# KiCad board 100p-keebored_OLD.kicad_pcb
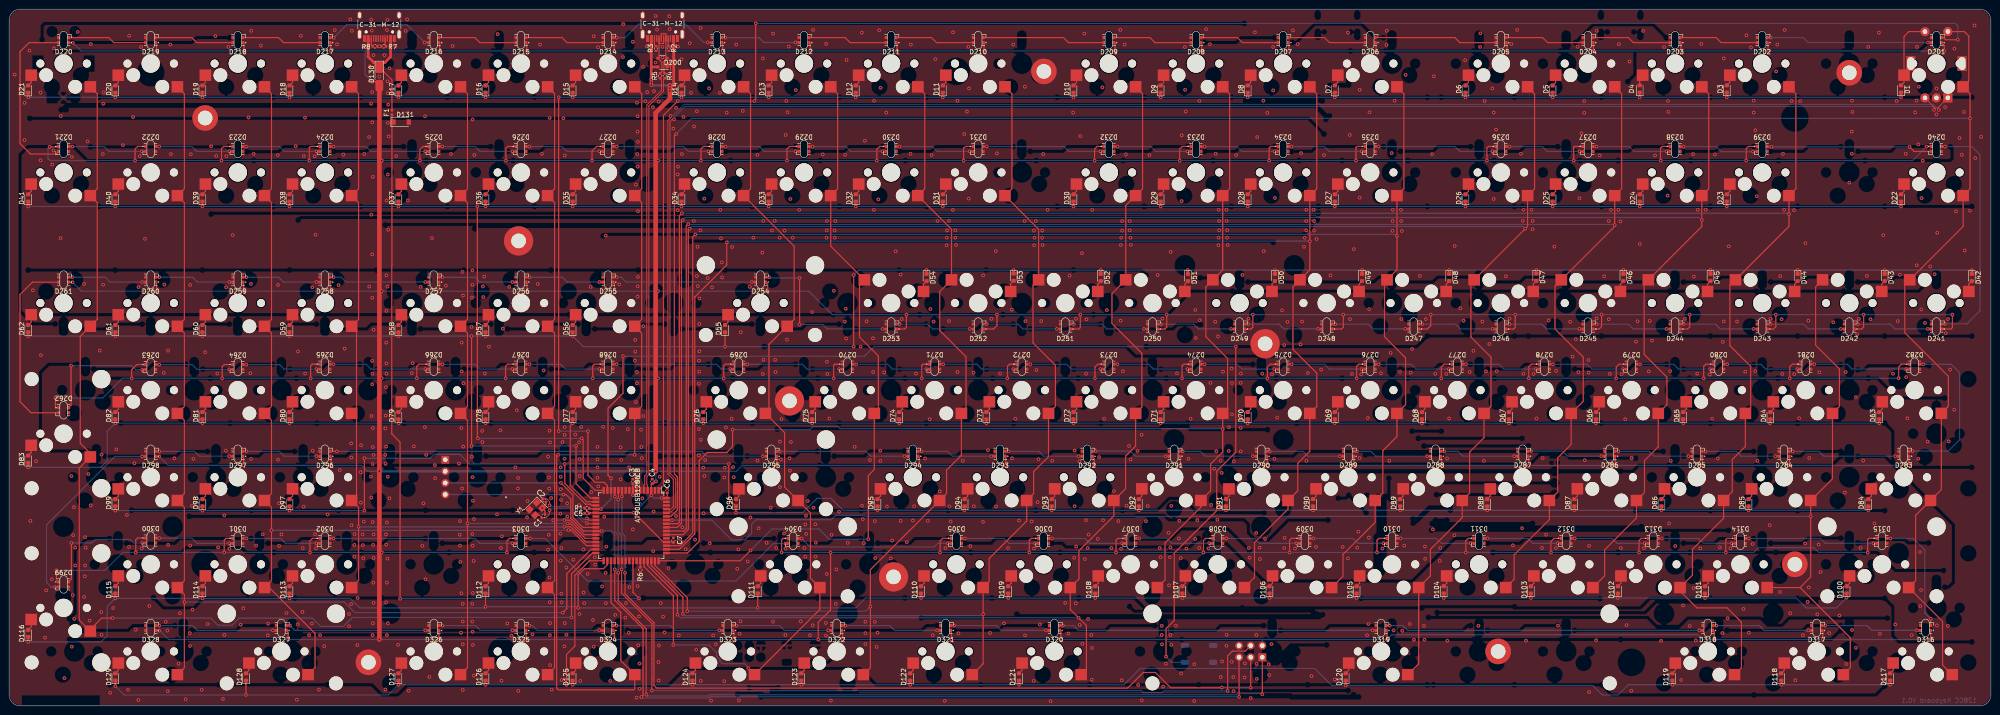
[diagram p0: board, top side]
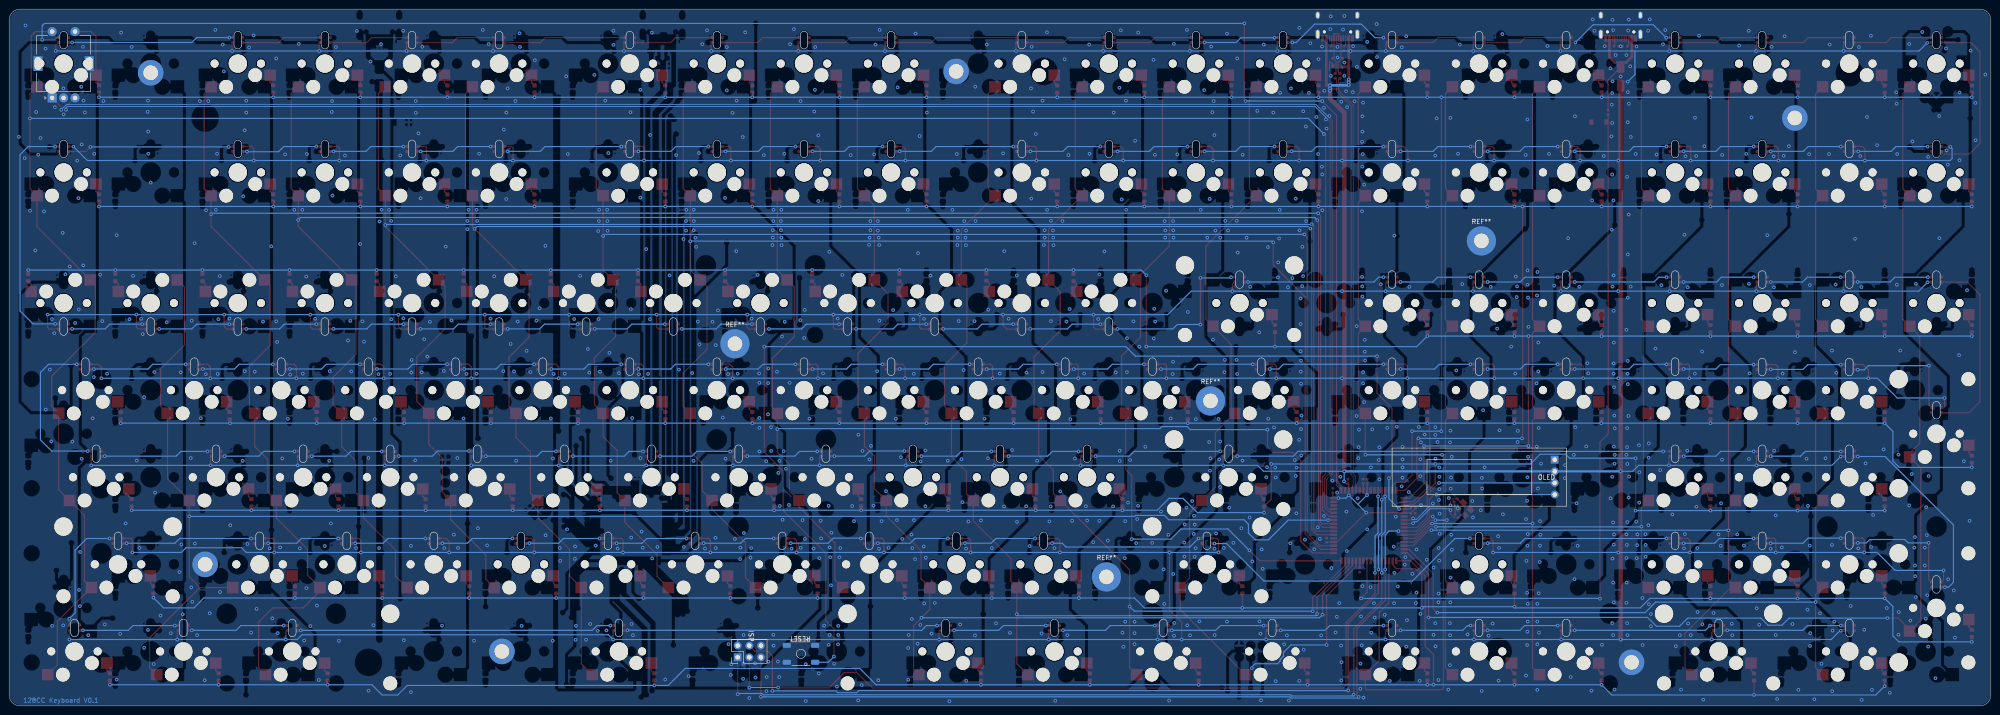
[diagram p1: board, bottom side, seen from below]

Outline 433.36 x 152.39 mm; copper layers: Top, Bottom. Coordinates in mm from the lower left corner of the outline.
Outline path: 0,150.01 0,2.38 arc(0.7,0.7) 2.38,0 430.98,0 arc(432.66,0.7) 433.36,2.38 433.36,150.01 arc(432.66,151.69) 430.98,152.39 2.38,152.39 arc(0.7,151.69) 0,150.01
Stack: Top 0.035mm / dielectric 1.51mm FR4 er 4.5 / Bottom 0.035mm

## Placement (name value [footprint] x y rotation side)
AT90USB1286  AT90USB1286-A  [TQFP-64_14x14mm_P0.8mm]  136.02 39.44 270 top
C1  C  [C_0402_1005Metric]  116.82 41.52 225 top
C2  C  [C_0402_1005Metric]  117.04 44.94 135 top
C3  100n  [C_0402_1005Metric]  136.39 49.11 90 top
C4  100n  [C_0402_1005Metric]  140.63 49.11 90 top
C5  100n  [C_0402_1005Metric]  126.35 42.11 180 top
C6  100n  [C_0402_1005Metric]  143.91 47.1 90 top
C7  100n  [C_0402_1005Metric]  145.25 36.24 90 top
C8  1u  [C_0402_1005Metric]  137.28 49.11 90 top
C-31-M-12  USB_C_Receptacle_USB2.0  [USB_C_Receptacle_HRO_TYPE-C-31-M-12]  80.96 150.01 180 top
D1  D  [D_0603_1608Metric]  413.72 134.94 90 top
D3  D  [D_0603_1608Metric]  375.62 134.94 90 top
D4  D  [D_0603_1608Metric]  356.57 134.94 90 top
D5  D  [D_0603_1608Metric]  337.52 134.9 90 top
D6  D  [D_0603_1608Metric]  318.47 134.9 90 top
D7  D  [D_0603_1608Metric]  289.9 134.9 90 top
D8  D  [D_0603_1608Metric]  270.85 134.9 90 top
D9  D  [D_0603_1608Metric]  251.8 134.9 90 top
D10  D  [D_0603_1608Metric]  232.75 134.9 90 top
D11  D  [D_0603_1608Metric]  204.18 134.9 90 top
D12  D  [D_0603_1608Metric]  185.13 134.9 90 top
D13  D  [D_0603_1608Metric]  166.08 134.9 90 top
D14  D  [D_0603_1608Metric]  147.03 134.9 90 top
D15  D  [D_0603_1608Metric]  123.22 134.9 90 top
D16  D  [D_0603_1608Metric]  104.18 134.9 90 top
D17  D  [D_0603_1608Metric]  85.13 134.9 90 top
D18  D  [D_0603_1608Metric]  61.32 134.9 90 top
D19  D  [D_0603_1608Metric]  42.27 134.9 90 top
D20  D  [D_0603_1608Metric]  23.22 134.9 90 top
D21  D  [D_0603_1608Metric]  4.17 134.9 90 top
D22  D  [D_0603_1608Metric]  413.72 111.09 90 top
D23  D  [D_0603_1608Metric]  375.62 111.09 90 top
D24  D  [D_0603_1608Metric]  356.57 111.09 90 top
D25  D  [D_0603_1608Metric]  337.52 111.09 90 top
D26  D  [D_0603_1608Metric]  318.47 111.09 90 top
D27  D  [D_0603_1608Metric]  289.9 111.09 90 top
D28  D  [D_0603_1608Metric]  270.85 111.09 90 top
D29  D  [D_0603_1608Metric]  251.8 111.09 90 top
D30  D  [D_0603_1608Metric]  232.75 111.09 90 top
D31  D  [D_0603_1608Metric]  204.18 111.09 90 top
D32  D  [D_0603_1608Metric]  185.13 111.09 90 top
D33  D  [D_0603_1608Metric]  166.08 111.09 90 top
D34  D  [D_0603_1608Metric]  147.03 111.09 90 top
D35  D  [D_0603_1608Metric]  123.22 111.09 90 top
D36  D  [D_0603_1608Metric]  104.18 111.09 90 top
D37  D  [D_0603_1608Metric]  85.13 111.09 90 top
D38  D  [D_0603_1608Metric]  61.32 111.09 90 top
D39  D  [D_0603_1608Metric]  42.27 111.09 90 top
D40  D  [D_0603_1608Metric]  23.22 111.09 90 top
D41  D  [D_0603_1608Metric]  4.17 111.09 90 top
D42  D  [D_0603_1608Metric]  429.19 93.68 270 top
D43  D  [D_0603_1608Metric]  410.14 93.68 270 top
D44  D  [D_0603_1608Metric]  391.1 93.68 270 top
D45  D  [D_0603_1608Metric]  372.05 93.68 270 top
D46  D  [D_0603_1608Metric]  353 93.68 270 top
D47  D  [D_0603_1608Metric]  333.95 93.76 270 top
D48  D  [D_0603_1608Metric]  314.9 93.68 270 top
D49  D  [D_0603_1608Metric]  295.85 93.68 270 top
D50  D  [D_0603_1608Metric]  276.8 93.68 270 top
D51  D  [D_0603_1608Metric]  257.76 93.68 270 top
D52  D  [D_0603_1608Metric]  238.71 93.68 270 top
D53  D  [D_0603_1608Metric]  219.66 93.76 270 top
D54  D  [D_0603_1608Metric]  200.61 93.68 270 top
D55  D  [D_0603_1608Metric]  156.56 82.52 90 top
D56  D  [D_0603_1608Metric]  123.22 82.52 90 top
D57  D  [D_0603_1608Metric]  104.18 82.52 90 top
D58  D  [D_0603_1608Metric]  85.13 82.52 90 top
D59  D  [D_0603_1608Metric]  61.32 82.52 90 top
D60  D  [D_0603_1608Metric]  42.27 82.52 90 top
D61  D  [D_0603_1608Metric]  23.22 82.52 90 top
D62  D  [D_0603_1608Metric]  4.17 82.52 90 top
D63  D  [D_0603_1608Metric]  408.95 63.47 90 top
D64  D  [D_0603_1608Metric]  385.14 63.47 90 top
D65  D  [D_0603_1608Metric]  366.09 63.47 90 top
D66  D  [D_0603_1608Metric]  347.05 63.47 90 top
D67  D  [D_0603_1608Metric]  328 63.47 90 top
D68  D  [D_0603_1608Metric]  308.95 63.47 90 top
D69  D  [D_0603_1608Metric]  289.9 63.47 90 top
D70  D  [D_0603_1608Metric]  270.85 63.47 90 top
D71  D  [D_0603_1608Metric]  251.8 63.47 90 top
D72  D  [D_0603_1608Metric]  232.75 63.47 90 top
D73  D  [D_0603_1608Metric]  213.71 63.47 90 top
D74  D  [D_0603_1608Metric]  194.66 63.47 90 top
D75  D  [D_0603_1608Metric]  175.61 63.47 90 top
D76  D  [D_0603_1608Metric]  151.8 63.47 90 top
D77  D  [D_0603_1608Metric]  123.22 63.47 90 top
D78  D  [D_0603_1608Metric]  104.18 63.47 90 top
D79  D  [D_0603_1608Metric]  85.13 63.47 90 top
D80  D  [D_0603_1608Metric]  61.32 63.47 90 top
D81  D  [D_0603_1608Metric]  42.27 63.47 90 top
D82  D  [D_0603_1608Metric]  23.22 63.47 90 top
D83  D  [D_0603_1608Metric]  4.17 53.95 90 top
D84  D  [D_0603_1608Metric]  406.57 44.42 90 top
D85  D  [D_0603_1608Metric]  380.38 44.42 90 top
D86  D  [D_0603_1608Metric]  361.33 44.42 90 top
D87  D  [D_0603_1608Metric]  342.28 44.42 90 top
D88  D  [D_0603_1608Metric]  323.24 44.42 90 top
D89  D  [D_0603_1608Metric]  304.19 44.42 90 top
D90  D  [D_0603_1608Metric]  285.14 44.42 90 top
D91  D  [D_0603_1608Metric]  266.09 44.42 90 top
D92  D  [D_0603_1608Metric]  247.04 44.42 90 top
D93  D  [D_0603_1608Metric]  227.99 44.42 90 top
D94  D  [D_0603_1608Metric]  208.94 44.42 90 top
D95  D  [D_0603_1608Metric]  189.89 44.42 90 top
D96  D  [D_0603_1608Metric]  158.94 44.42 90 top
D97  D  [D_0603_1608Metric]  61.32 44.42 90 top
D98  D  [D_0603_1608Metric]  42.27 44.42 90 top
D99  D  [D_0603_1608Metric]  23.22 44.42 90 top
D100  D  [D_0603_1608Metric]  401.81 25.37 90 top
D101  D  [D_0603_1608Metric]  370.86 25.37 90 top
D102  D  [D_0603_1608Metric]  351.81 25.37 90 top
D103  D  [D_0603_1608Metric]  332.76 25.37 90 top
D104  D  [D_0603_1608Metric]  313.71 25.37 90 top
D105  D  [D_0603_1608Metric]  294.66 25.37 90 top
D106  D  [D_0603_1608Metric]  275.61 25.37 90 top
D107  D  [D_0603_1608Metric]  256.56 25.37 90 top
D108  D  [D_0603_1608Metric]  237.52 25.37 90 top
D109  D  [D_0603_1608Metric]  218.47 25.37 90 top
D110  D  [D_0603_1608Metric]  199.42 25.37 90 top
D111  D  [D_0603_1608Metric]  163.7 25.37 90 top
D112  D  [D_0603_1608Metric]  104.18 25.37 90 top
D113  D  [D_0603_1608Metric]  61.32 25.37 90 top
D114  D  [D_0603_1608Metric]  42.27 25.37 90 top
D115  D  [D_0603_1608Metric]  23.22 25.37 90 top
D116  D  [D_0603_1608Metric]  4.17 15.85 90 top
D117  D  [D_0603_1608Metric]  411.34 6.33 90 top
D118  D  [D_0603_1608Metric]  387.52 6.33 90 top
D119  D  [D_0603_1608Metric]  363.71 6.33 90 top
D120  D  [D_0603_1608Metric]  292.28 6.33 90 top
D121  D  [D_0603_1608Metric]  220.85 6.33 90 top
D122  D  [D_0603_1608Metric]  197.04 6.33 90 top
D123  D  [D_0603_1608Metric]  173.23 6.33 90 top
D124  D  [D_0603_1608Metric]  149.42 6.33 90 top
D125  D  [D_0603_1608Metric]  123.22 6.33 90 top
D126  D  [D_0603_1608Metric]  104.18 6.33 90 top
D127  D  [D_0603_1608Metric]  85.13 6.33 90 top
D128  D  [D_0603_1608Metric]  51.79 6.33 90 top
D129  D  [D_0603_1608Metric]  23.22 6.33 90 top
D130  SBRT5A50SA-13  [D_0603_1608Metric#2]  80.96 137.67 270 top
D131  BZT52C5V6  [D_SOD-123]  85.73 127.69 0 top
D200  PRTR5V0U2X  [SOT-143]  142.87 140.71 180 top
D201  WS2812B  [WS2812B-2020 ShineThrough]  421.46 145.62 0 top
D202  WS2812B  [WS2812B-2020 ShineThrough]  383.36 145.62 0 top
D203  WS2812B  [WS2812B-2020 ShineThrough]  364.31 145.62 0 top
D204  WS2812B  [WS2812B-2020 ShineThrough]  345.26 145.62 0 top
D205  WS2812B  [WS2812B-2020 ShineThrough]  326.21 145.62 0 top
D206  WS2812B  [WS2812B-2020 ShineThrough]  297.64 145.62 0 top
D207  WS2812B  [WS2812B-2020 ShineThrough]  278.59 145.62 0 top
D208  WS2812B  [WS2812B-2020 ShineThrough]  259.54 145.62 0 top
D209  WS2812B  [WS2812B-2020 ShineThrough]  240.49 145.62 0 top
D210  WS2812B  [WS2812B-2020 ShineThrough]  211.92 145.62 0 top
D211  WS2812B  [WS2812B-2020 ShineThrough]  192.87 145.62 0 top
D212  WS2812B  [WS2812B-2020 ShineThrough]  173.82 145.62 0 top
D213  WS2812B  [WS2812B-2020 ShineThrough]  154.77 145.62 0 top
D214  WS2812B  [WS2812B-2020 ShineThrough]  130.96 145.62 0 top
D215  WS2812B  [WS2812B-2020 ShineThrough]  111.91 145.62 0 top
D216  WS2812B  [WS2812B-2020 ShineThrough]  92.86 145.62 0 top
D217  WS2812B  [WS2812B-2020 ShineThrough]  69.05 145.62 0 top
D218  WS2812B  [WS2812B-2020 ShineThrough]  50.01 145.62 0 top
D219  WS2812B  [WS2812B-2020 ShineThrough]  30.96 145.62 0 top
D220  WS2812B  [WS2812B-2020 ShineThrough]  11.91 145.62 0 top
D221  WS2812B  [WS2812B-2020 ShineThrough]  11.91 121.81 180 top
D222  WS2812B  [WS2812B-2020 ShineThrough]  30.96 121.81 180 top
D223  WS2812B  [WS2812B-2020 ShineThrough]  50.01 121.81 180 top
D224  WS2812B  [WS2812B-2020 ShineThrough]  69.05 121.81 180 top
D225  WS2812B  [WS2812B-2020 ShineThrough]  92.86 121.81 180 top
D226  WS2812B  [WS2812B-2020 ShineThrough]  111.91 121.81 180 top
D227  WS2812B  [WS2812B-2020 ShineThrough]  130.96 121.81 180 top
D228  WS2812B  [WS2812B-2020 ShineThrough]  154.77 121.81 180 top
D229  WS2812B  [WS2812B-2020 ShineThrough]  173.82 121.81 180 top
D230  WS2812B  [WS2812B-2020 ShineThrough]  192.87 121.81 180 top
D231  WS2812B  [WS2812B-2020 ShineThrough]  211.92 121.81 180 top
D232  WS2812B  [WS2812B-2020 ShineThrough]  240.49 121.81 180 top
D233  WS2812B  [WS2812B-2020 ShineThrough]  259.54 121.81 180 top
D234  WS2812B  [WS2812B-2020 ShineThrough]  278.59 121.81 180 top
D235  WS2812B  [WS2812B-2020 ShineThrough]  297.64 121.81 180 top
D236  WS2812B  [WS2812B-2020 ShineThrough]  326.21 121.81 180 top
D237  WS2812B  [WS2812B-2020 ShineThrough]  345.26 121.81 180 top
D238  WS2812B  [WS2812B-2020 ShineThrough]  364.31 121.81 180 top
D239  WS2812B  [WS2812B-2020 ShineThrough]  383.36 121.81 180 top
D240  WS2812B  [WS2812B-2020 ShineThrough]  421.46 121.81 180 top
D241  WS2812B  [WS2812B-2020 ShineThrough]  421.46 82.97 0 top
D242  WS2812B  [WS2812B-2020 ShineThrough]  402.41 82.97 0 top
D243  WS2812B  [WS2812B-2020 ShineThrough]  383.36 82.97 0 top
D244  WS2812B  [WS2812B-2020 ShineThrough]  364.31 82.97 0 top
D245  WS2812B  [WS2812B-2020 ShineThrough]  345.26 82.97 0 top
D246  WS2812B  [WS2812B-2020 ShineThrough]  326.21 82.97 0 top
D247  WS2812B  [WS2812B-2020 ShineThrough]  307.16 82.97 0 top
D248  WS2812B  [WS2812B-2020 ShineThrough]  288.11 82.97 0 top
D249  WS2812B  [WS2812B-2020 ShineThrough]  269.07 82.97 0 top
D250  WS2812B  [WS2812B-2020 ShineThrough]  250.02 82.97 0 top
D251  WS2812B  [WS2812B-2020 ShineThrough]  230.97 82.97 0 top
D252  WS2812B  [WS2812B-2020 ShineThrough]  211.92 82.97 0 top
D253  WS2812B  [WS2812B-2020 ShineThrough]  192.87 82.97 0 top
D254  WS2812B  [WS2812B-2020 ShineThrough]  164.3 93.24 0 top
D255  WS2812B  [WS2812B-2020 ShineThrough]  130.96 93.24 0 top
D256  WS2812B  [WS2812B-2020 ShineThrough]  111.91 93.24 0 top
D257  WS2812B  [WS2812B-2020 ShineThrough]  92.86 93.24 0 top
D258  WS2812B  [WS2812B-2020 ShineThrough]  69.05 93.24 0 top
D259  WS2812B  [WS2812B-2020 ShineThrough]  50.01 93.24 0 top
D260  WS2812B  [WS2812B-2020 ShineThrough]  30.96 93.24 0 top
D261  WS2812B  [WS2812B-2020 ShineThrough]  11.91 93.24 0 top
D262  WS2812B  [WS2812B-2020 ShineThrough]  11.91 64.66 180 top
D263  WS2812B  [WS2812B-2020 ShineThrough]  30.96 74.11 180 top
D264  WS2812B  [WS2812B-2020 ShineThrough]  50.01 74.11 180 top
D265  WS2812B  [WS2812B-2020 ShineThrough]  69.05 74.19 180 top
D266  WS2812B  [WS2812B-2020 ShineThrough]  92.86 74.19 180 top
D267  WS2812B  [WS2812B-2020 ShineThrough]  111.91 74.19 180 top
D268  WS2812B  [WS2812B-2020 ShineThrough]  130.96 74.19 180 top
D269  WS2812B  [WS2812B-2020 ShineThrough]  159.54 74.19 180 top
D270  WS2812B  [WS2812B-2020 ShineThrough]  183.35 74.19 180 top
D271  WS2812B  [WS2812B-2020 ShineThrough]  202.39 74.19 180 top
D272  WS2812B  [WS2812B-2020 ShineThrough]  221.44 74.19 180 top
D273  WS2812B  [WS2812B-2020 ShineThrough]  240.49 74.19 180 top
D274  WS2812B  [WS2812B-2020 ShineThrough]  259.54 74.19 180 top
D275  WS2812B  [WS2812B-2020 ShineThrough]  278.59 74.19 180 top
D276  WS2812B  [WS2812B-2020 ShineThrough]  297.64 74.19 180 top
D277  WS2812B  [WS2812B-2020 ShineThrough]  316.69 74.19 180 top
D278  WS2812B  [WS2812B-2020 ShineThrough]  335.74 74.19 180 top
D279  WS2812B  [WS2812B-2020 ShineThrough]  354.78 74.19 180 top
D280  WS2812B  [WS2812B-2020 ShineThrough]  373.83 74.19 180 top
D281  WS2812B  [WS2812B-2020 ShineThrough]  392.88 74.19 180 top
D282  WS2812B  [WS2812B-2020 ShineThrough]  416.69 74.19 180 top
D283  WS2812B  [WS2812B-2020 ShineThrough]  414.31 55.14 0 top
D284  WS2812B  [WS2812B-2020 ShineThrough]  388.12 55.14 0 top
D285  WS2812B  [WS2812B-2020 ShineThrough]  369.07 55.14 0 top
D286  WS2812B  [WS2812B-2020 ShineThrough]  350.02 55.14 0 top
D287  WS2812B  [WS2812B-2020 ShineThrough]  330.97 55.14 0 top
D288  WS2812B  [WS2812B-2020 ShineThrough]  311.93 55.14 0 top
D289  WS2812B  [WS2812B-2020 ShineThrough]  292.88 55.14 0 top
D290  WS2812B  [WS2812B-2020 ShineThrough]  273.83 55.14 0 top
D291  WS2812B  [WS2812B-2020 ShineThrough]  254.78 55.14 0 top
D292  WS2812B  [WS2812B-2020 ShineThrough]  235.73 55.14 0 top
D293  WS2812B  [WS2812B-2020 ShineThrough]  216.68 55.14 0 top
D294  WS2812B  [WS2812B-2020 ShineThrough]  197.63 55.14 0 top
D295  WS2812B  [WS2812B-2020 ShineThrough]  166.68 55.14 0 top
D296  WS2812B  [WS2812B-2020 ShineThrough]  69.05 55.14 0 top
D297  WS2812B  [WS2812B-2020 ShineThrough]  50.01 55.14 0 top
D298  WS2812B  [WS2812B-2020 ShineThrough]  30.96 55.14 0 top
D299  WS2812B  [WS2812B-2020 ShineThrough]  11.91 26.57 180 top
D300  WS2812B  [WS2812B-2020 ShineThrough]  30.96 36.16 180 top
D301  WS2812B  [WS2812B-2020 ShineThrough]  50.01 36.09 180 top
D302  WS2812B  [WS2812B-2020 ShineThrough]  69.05 36.09 180 top
D303  WS2812B  [WS2812B-2020 ShineThrough]  111.91 36.09 180 top
D304  WS2812B  [WS2812B-2020 ShineThrough]  171.44 36.09 180 top
D305  WS2812B  [WS2812B-2020 ShineThrough]  207.16 36.09 180 top
D306  WS2812B  [WS2812B-2020 ShineThrough]  226.21 36.09 180 top
D307  WS2812B  [WS2812B-2020 ShineThrough]  245.25 36.09 180 top
D308  WS2812B  [WS2812B-2020 ShineThrough]  264.3 36.09 180 top
D309  WS2812B  [WS2812B-2020 ShineThrough]  283.35 36.09 180 top
D310  WS2812B  [WS2812B-2020 ShineThrough]  302.4 36.09 180 top
D311  WS2812B  [WS2812B-2020 ShineThrough]  321.45 36.09 180 top
D312  WS2812B  [WS2812B-2020 ShineThrough]  340.5 36.09 180 top
D313  WS2812B  [WS2812B-2020 ShineThrough]  359.55 36.09 180 top
D314  WS2812B  [WS2812B-2020 ShineThrough]  378.6 36.09 180 top
D315  WS2812B  [WS2812B-2020 ShineThrough]  409.55 36.09 180 top
D316  WS2812B  [WS2812B-2020 ShineThrough]  419.07 17.04 0 top
D317  WS2812B  [WS2812B-2020 ShineThrough]  395.26 17.04 0 top
D318  WS2812B  [WS2812B-2020 ShineThrough]  371.45 17.04 0 top
D319  WS2812B  [WS2812B-2020 ShineThrough]  300.02 17.04 0 top
D320  WS2812B  [WS2812B-2020 ShineThrough]  228.59 17.04 0 top
D321  WS2812B  [WS2812B-2020 ShineThrough]  204.78 17.04 0 top
D322  WS2812B  [WS2812B-2020 ShineThrough]  180.97 17.04 0 top
D323  WS2812B  [WS2812B-2020 ShineThrough]  157.15 17.04 0 top
D324  WS2812B  [WS2812B-2020 ShineThrough]  130.96 17.04 0 top
D325  WS2812B  [WS2812B-2020 ShineThrough]  111.91 17.04 0 top
D326  WS2812B  [WS2812B-2020 ShineThrough]  92.86 17.04 0 top
D327  WS2812B  [WS2812B-2020 ShineThrough]  59.53 17.04 0 top
D328  WS2812B  [WS2812B-2020 ShineThrough]  30.96 17.04 0 top
F1  JFC0402-0250FS  [Fuse_0402_1005Metric]  83.71 129.81 90 top
G***  LOGO  [CC Logo 10mm 6.0]  17.56 102.83 0 top
ISP  AVR-ISP-6  [PinHeader_2x03_P2.54mm_Vertical]  274.04 10.63 90 bottom
J2  C-31-M-12  [USB_C_Receptacle_HRO_TYPE-C-31-M-12]  142.87 150.01 180 top
OLED  Conn_01x04  [SSD1306 128x32]  95.37 50.03 0 bottom
R1  10K  [R_0402_1005Metric]  126.34 43.23 0 top
R2  5.1k  [R_0402_1005Metric]  144.28 143.77 270 top
R3  5.1k  [R_0402_1005Metric]  141.45 143.77 270 top
R4  22  [R_0402_1005Metric]  143.39 137.81 270 top
R5  22  [R_0402_1005Metric]  142.35 137.81 270 top
R6  10k  [R_0402_1005Metric]  138.03 29.76 90 top
R7  5.1k  [R_0402_1005Metric]  81.93 144.28 180 top
R8  5.1k  [R_0402_1005Metric]  80 144.28 0 top
REF**  -  [MountingHole_3.2mm_M3_DIN965_Pad]  325.61 11.91 180 bottom
REF**#2  -  [MountingHole_3.2mm_M3_DIN965_Pad]  78.58 9.52 180 bottom
REF**#3  -  [MountingHole_3.2mm_M3_DIN965_Pad]  226.28 138.77 180 bottom
REF**#4  -  [MountingHole_3.2mm_M3_DIN965_Pad]  402.41 138.48 180 bottom
REF**#5  -  [MountingHole_3.2mm_M3_DIN965_Pad]  42.86 128.58 180 bottom
REF**#6  -  [MountingHole_3.2mm_M3_DIN965_Pad]  390.5 30.95 180 bottom
REF**#7  -  [MountingHole_3.2mm_M3_Pad]  274.65 79.2 180 bottom
REF**#8  -  [MountingHole_3.2mm_M3_Pad]  170.65 66.7 180 bottom
REF**#9  -  [MountingHole_3.2mm_M3_Pad]  193.4 28.2 180 bottom
REF**#10  -  [MountingHole_3.2mm_M3_Pad]  111.4 101.7 180 bottom
RESET  SKQGAKE010  [SW_Alps_SKQGAKE010]  260.21 11.38 180 bottom
SW1  SW_Push  [MXOnly-1U-Hotswap]  421.45 140.48 0 bottom
SW3  SW_Push  [MXOnly-1U-Hotswap]  383.36 140.48 0 bottom
SW4  SW_Push  [MXOnly-1U-Hotswap]  364.31 140.48 0 bottom
SW5  SW_Push  [MXOnly-1U-Hotswap]  345.26 140.48 0 bottom
SW6  SW_Push  [MXOnly-1U-Hotswap]  326.21 140.48 0 bottom
SW7  SW_Push  [MXOnly-1U-Hotswap]  297.64 140.48 0 bottom
SW8  SW_Push  [MXOnly-1U-Hotswap]  278.59 140.48 0 bottom
SW9  SW_Push  [MXOnly-1U-Hotswap]  259.54 140.48 0 bottom
SW10  SW_Push  [MXOnly-1U-Hotswap]  240.49 140.48 0 bottom
SW11  SW_Push  [MXOnly-1U-Hotswap]  211.92 140.48 0 bottom
SW12  SW_Push  [MXOnly-1U-Hotswap]  192.87 140.48 0 bottom
SW13  SW_Push  [MXOnly-1U-Hotswap]  173.82 140.48 0 bottom
SW14  SW_Push  [MXOnly-1U-Hotswap]  154.77 140.48 0 bottom
SW15  SW_Push  [MXOnly-1U-Hotswap]  130.96 140.48 0 bottom
SW16  SW_Push  [MXOnly-1U-Hotswap]  111.91 140.48 0 bottom
SW17  SW_Push  [MXOnly-1U-Hotswap]  92.86 140.48 0 bottom
SW18  SW_Push  [MXOnly-1U-Hotswap]  69.05 140.48 0 bottom
SW19  SW_Push  [MXOnly-1U-Hotswap]  50 140.48 0 bottom
SW20  SW_Push  [MXOnly-1U-Hotswap]  30.95 140.48 0 bottom
SW21  SW_Push  [MXOnly-1U-Hotswap]  11.91 140.48 0 bottom
SW22  SW_Push  [MXOnly-1U-Hotswap]  421.45 116.67 0 bottom
SW23  SW_Push  [MXOnly-1U-Hotswap]  383.36 116.67 0 bottom
SW24  SW_Push  [MXOnly-1U-Hotswap]  364.31 116.67 0 bottom
SW25  SW_Push  [MXOnly-1U-Hotswap]  345.26 116.67 0 bottom
SW26  SW_Push  [MXOnly-1U-Hotswap]  326.21 116.67 0 bottom
SW27  SW_Push  [MXOnly-1U-Hotswap]  297.64 116.67 0 bottom
SW28  SW_Push  [MXOnly-1U-Hotswap]  278.59 116.67 0 bottom
SW29  SW_Push  [MXOnly-1U-Hotswap]  259.54 116.67 0 bottom
SW30  SW_Push  [MXOnly-1U-Hotswap]  240.49 116.67 0 bottom
SW31  SW_Push  [MXOnly-1U-Hotswap]  211.92 116.67 0 bottom
SW32  SW_Push  [MXOnly-1U-Hotswap]  192.87 116.67 0 bottom
SW33  SW_Push  [MXOnly-1U-Hotswap]  173.82 116.67 0 bottom
SW34  SW_Push  [MXOnly-1U-Hotswap]  154.77 116.67 0 bottom
SW35  SW_Push  [MXOnly-1U-Hotswap]  130.96 116.67 0 bottom
SW36  SW_Push  [MXOnly-1U-Hotswap]  111.91 116.67 0 bottom
SW37  SW_Push  [MXOnly-1U-Hotswap]  92.86 116.67 0 bottom
SW38  SW_Push  [MXOnly-1U-Hotswap]  69.05 116.67 0 bottom
SW39  SW_Push  [MXOnly-1U-Hotswap]  50 116.67 0 bottom
SW40  SW_Push  [MXOnly-1U-Hotswap]  30.95 116.67 0 bottom
SW41  SW_Push  [MXOnly-1U-Hotswap]  11.91 116.67 0 bottom
SW42  SW_Push  [MXOnly-1U-Hotswap]  421.45 88.1 180 bottom
SW43  SW_Push  [MXOnly-1U-Hotswap]  402.41 88.1 180 bottom
SW44  SW_Push  [MXOnly-1U-Hotswap]  383.36 88.1 180 bottom
SW45  SW_Push  [MXOnly-1U-Hotswap]  364.31 88.1 180 bottom
SW46  SW_Push  [MXOnly-1U-Hotswap]  345.26 88.1 180 bottom
SW47  SW_Push  [MXOnly-1U-Hotswap]  326.21 88.1 180 bottom
SW48  SW_Push  [MXOnly-1U-Hotswap]  307.16 88.1 180 bottom
SW49  SW_Push  [MXOnly-1U-Hotswap]  288.11 88.1 180 bottom
SW50  SW_Push  [MXOnly-1U-Hotswap]  269.06 88.1 180 bottom
SW51  SW_Push  [MXOnly-1U-Hotswap]  250.02 88.1 180 bottom
SW52  SW_Push  [MXOnly-1U-Hotswap]  230.97 88.1 180 bottom
SW53  SW_Push  [MXOnly-1U-Hotswap]  211.92 88.1 180 bottom
SW54  SW_Push  [MXOnly-1U-Hotswap]  192.87 88.1 180 bottom
SW55  SW_Push  [MXOnly-2U-Hotswap]  164.3 88.1 0 bottom
SW56  SW_Push  [MXOnly-1U-Hotswap]  130.96 88.1 0 bottom
SW57  SW_Push  [MXOnly-1U-Hotswap]  111.91 88.1 0 bottom
SW58  SW_Push  [MXOnly-1U-Hotswap]  92.86 88.1 0 bottom
SW59  SW_Push  [MXOnly-1U-Hotswap]  69.05 88.1 0 bottom
SW60  SW_Push  [MXOnly-1U-Hotswap]  50 88.1 0 bottom
SW61  SW_Push  [MXOnly-1U-Hotswap]  30.95 88.1 0 bottom
SW62  SW_Push  [MXOnly-1U-Hotswap]  11.91 88.1 0 bottom
SW63  SW_Push  [MXOnly-1.5U-Hotswap]  416.69 69.05 0 bottom
SW64  SW_Push  [MXOnly-1U-Hotswap]  392.88 69.05 0 bottom
SW65  SW_Push  [MXOnly-1U-Hotswap]  373.83 69.05 0 bottom
SW66  SW_Push  [MXOnly-1U-Hotswap]  354.78 69.05 0 bottom
SW67  SW_Push  [MXOnly-1U-Hotswap]  335.74 69.05 0 bottom
SW68  SW_Push  [MXOnly-1U-Hotswap]  316.69 69.05 0 bottom
SW69  SW_Push  [MXOnly-1U-Hotswap]  297.64 69.05 0 bottom
SW70  SW_Push  [MXOnly-1U-Hotswap]  278.59 69.05 0 bottom
SW71  SW_Push  [MXOnly-1U-Hotswap]  259.54 69.05 0 bottom
SW72  SW_Push  [MXOnly-1U-Hotswap]  240.49 69.05 0 bottom
SW73  SW_Push  [MXOnly-1U-Hotswap]  221.44 69.05 0 bottom
SW74  SW_Push  [MXOnly-1U-Hotswap]  202.39 69.05 0 bottom
SW75  SW_Push  [MXOnly-1U-Hotswap]  183.34 69.05 0 bottom
SW76  SW_Push  [MXOnly-1.5U-Hotswap]  159.53 69.05 0 bottom
SW77  SW_Push  [MXOnly-1U-Hotswap]  130.96 69.05 0 bottom
SW78  SW_Push  [MXOnly-1U-Hotswap]  111.91 69.05 0 bottom
SW79  SW_Push  [MXOnly-1U-Hotswap]  92.86 69.05 0 bottom
SW80  SW_Push  [MXOnly-1U-Hotswap]  69.05 69.05 0 bottom
SW81  SW_Push  [MXOnly-1U-Hotswap]  50 69.05 0 bottom
SW82  SW_Push  [MXOnly-1U-Hotswap]  30.95 69.05 0 bottom
SW83  SW_Push  [MXOnly-2U-Hotswap-VerticalStabilizers]  11.91 59.53 0 bottom
SW84  SW_Push  [MXOnly-1.75U-Hotswap]  414.31 50 0 bottom
SW85  SW_Push  [MXOnly-1U-Hotswap]  388.12 50 0 bottom
SW86  SW_Push  [MXOnly-1U-Hotswap]  369.07 50 0 bottom
SW87  SW_Push  [MXOnly-1U-Hotswap]  350.02 50 0 bottom
SW88  SW_Push  [MXOnly-1U-Hotswap]  330.97 50 0 bottom
SW89  SW_Push  [MXOnly-1U-Hotswap]  311.92 50 0 bottom
SW90  SW_Push  [MXOnly-1U-Hotswap]  292.88 50 0 bottom
SW91  SW_Push  [MXOnly-1U-Hotswap]  273.83 50 0 bottom
SW92  SW_Push  [MXOnly-1U-Hotswap]  254.78 50 0 bottom
SW93  SW_Push  [MXOnly-1U-Hotswap]  235.73 50 0 bottom
SW94  SW_Push  [MXOnly-1U-Hotswap]  216.68 50 0 bottom
SW95  SW_Push  [MXOnly-1U-Hotswap]  197.63 50 0 bottom
SW96  SW_Push  [MXOnly-2.25U-Hotswap]  166.68 50 0 bottom
SW97  SW_Push  [MXOnly-1U-Hotswap]  69.05 50 0 bottom
SW98  SW_Push  [MXOnly-1U-Hotswap]  50 50 0 bottom
SW99  SW_Push  [MXOnly-1U-Hotswap]  30.95 50 0 bottom
SW100  SW_Push  [MXOnly-2.25U-Hotswap]  409.55 30.95 0 bottom
SW101  SW_Push  [MXOnly-1U-Hotswap]  378.59 30.95 0 bottom
SW102  SW_Push  [MXOnly-1U-Hotswap]  359.55 30.95 0 bottom
SW103  SW_Push  [MXOnly-1U-Hotswap]  340.5 30.95 0 bottom
SW104  SW_Push  [MXOnly-1U-Hotswap]  321.45 30.95 0 bottom
SW105  SW_Push  [MXOnly-1U-Hotswap]  302.4 30.95 0 bottom
SW106  SW_Push  [MXOnly-1U-Hotswap]  283.35 30.95 0 bottom
SW107  SW_Push  [MXOnly-1U-Hotswap]  264.3 30.95 0 bottom
SW108  SW_Push  [MXOnly-1U-Hotswap]  245.25 30.95 0 bottom
SW109  SW_Push  [MXOnly-1U-Hotswap]  226.2 30.95 0 bottom
SW110  SW_Push  [MXOnly-1U-Hotswap]  207.16 30.95 0 bottom
SW111  SW_Push  [MXOnly-2.75U-Hotswap]  171.44 30.95 0 bottom
SW112  SW_Push  [MXOnly-1U-Hotswap]  111.91 30.95 0 bottom
SW113  SW_Push  [MXOnly-1U-Hotswap]  69.05 30.95 0 bottom
SW114  SW_Push  [MXOnly-1U-Hotswap]  50 30.95 0 bottom
SW115  SW_Push  [MXOnly-1U-Hotswap]  30.95 30.95 0 bottom
SW116  SW_Push  [MXOnly-2U-Hotswap-VerticalStabilizers]  11.91 21.43 0 bottom
SW117  SW_Push  [MXOnly-1.25U-Hotswap]  419.07 11.91 0 bottom
SW118  SW_Push  [MXOnly-1.25U-Hotswap]  395.26 11.91 0 bottom
SW119  SW_Push  [MXOnly-1.25U-Hotswap]  371.45 11.91 0 bottom
SW120  SW_Push  [MXOnly-6.25U-Hotswap]  300.02 11.91 0 bottom
SW121  SW_Push  [MXOnly-1.25U-Hotswap]  228.59 11.91 0 bottom
SW122  SW_Push  [MXOnly-1.25U-Hotswap]  204.77 11.91 0 bottom
SW123  SW_Push  [MXOnly-1.25U-Hotswap]  180.96 11.91 0 bottom
SW124  SW_Push  [MXOnly-1.25U-Hotswap]  157.15 11.91 0 bottom
SW125  SW_Push  [MXOnly-1U-Hotswap]  130.96 11.91 0 bottom
SW126  SW_Push  [MXOnly-1U-Hotswap]  111.91 11.91 0 bottom